# Altium PCB DIOT_8ch_isoSPI1.PcbDoc (part 4 of 5)
Units mm, origin at the board's own origin, x right, y up, seen from the top; angles counter-clockwise.
Board outline 222.37 x 100 mm, 4 copper layers (L1, P2, P3, L4), stack 1.512 mm thick; 416 components, 332 nets, 1541 pads, 695 vias.
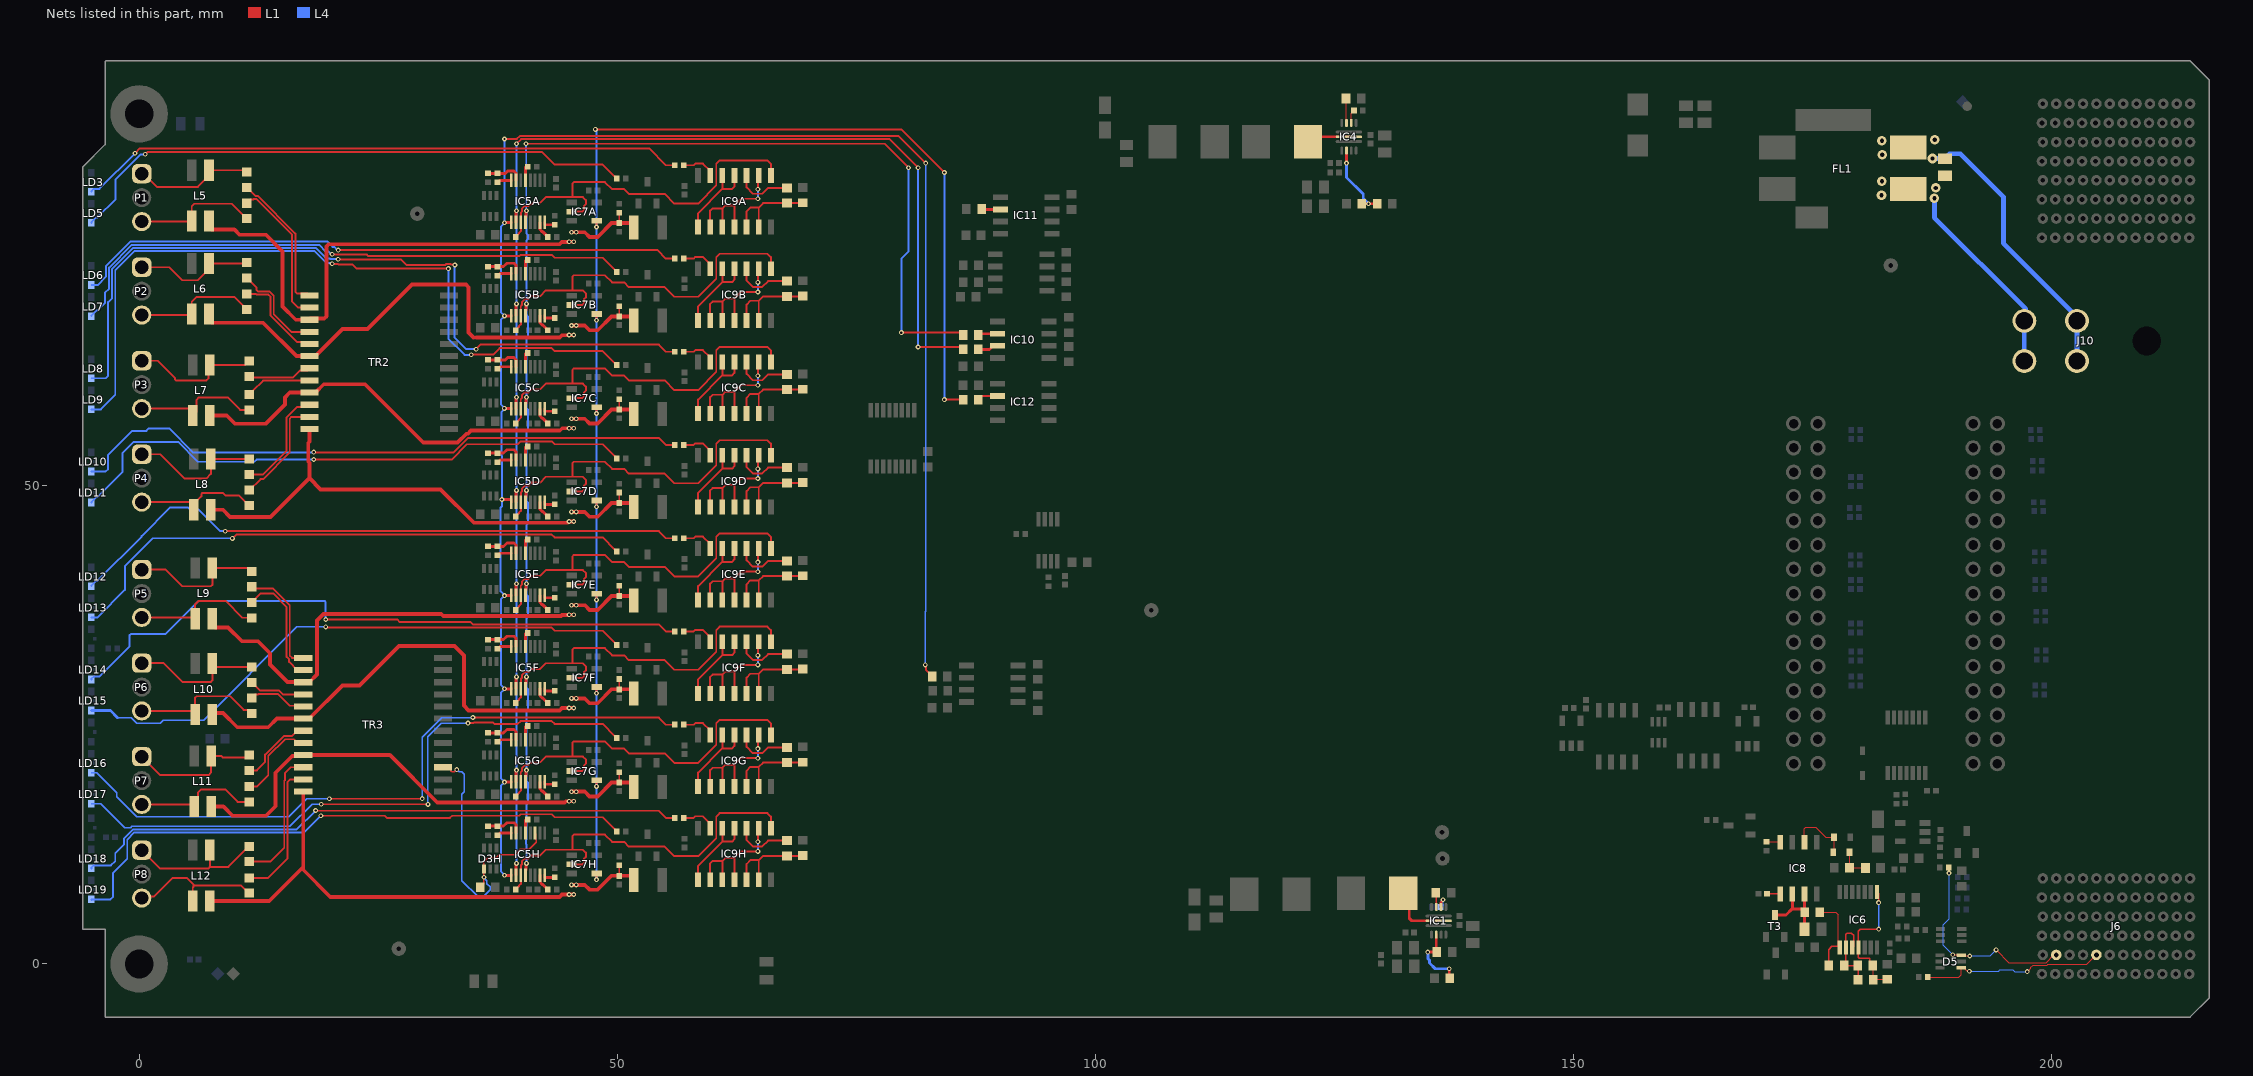
[diagram p6: the nets of this part, all layers, seen from the top]

## Via types
v1: diameter 0.5, hole 0.25, L1 to L4, tented both sides, 669 vias
v2: diameter 1, hole 0.45, L1 to L4, tented both sides, 26 vias

## Nets (pads, with @x,y where several pads share a name; then routed paths per layer and width w, separated by ;. In a path a pad name is that pad's centre, name@x,y a point inside that pad or via, vN(x,y) a via of type N, cw(c..) or ccw(c..) an arc to the next point about the centre after c; other vN are vias at no path point) (continued)
ISOH_P: D3H.1 IC5H.11 R13H.1 TR3.3 | length 29.7
  L1 w0.14: TR3.3@31.754,20.575 32.347,20.575 32.597,20.325 32.597,20.172 32.679,20.09 32.942,20.09 33.179,20.328 v1(33.204,20.328) ; R13H.1@35.654,8.02 36.034,8.4 36.034,9.036 v1(36.061,9.063) 36.058,9.067 36.058,9.916 D3H.1@36.054,9.92 36.054,10.653 36.519,11.118 37.344,11.118 37.662,11.436 39.307,11.436 39.855,11.984 40.775,11.984 41.506,12.715 41.506,12.985 41.486,13.005 41.486,13.617 IC5H.11@41.406,13.697
  L4 w0.14: v1(33.204,20.328) 33.229,20.328 33.466,20.09 33.741,20.09 33.999,19.832 33.999,18.015 33.754,17.77 33.754,8.72 35.454,7.02 35.963,7.02 36.692,7.748 36.692,8.064 36.353,8.403 36.353,8.705 36.061,8.997 v1(36.061,9.063)
LEDG0: LD3.2 R22A.2 | length 63.6
  L1 w0.2: v1(-0.432,84.785) 0.076,85.293 53.316,85.293 55.089,83.52 R22A.2@55.984,83.52
  L4 w0.2: LD3.2@-5,80.75 -5,80.8 -4.75,81.05 -4.167,81.05 v1(-0.432,84.785)
LEDG1: LD6.2 R22B.2 | length 64.2
  L1 w0.2: v1(20.81,74.651) 54.208,74.651 55.089,73.77 R22B.2@55.984,73.77
  L4 w0.2: LD6.2@-5,71 -4.35,71 -3.481,71.869 -3.481,72.963 -0.914,75.53 19.695,75.53 20.232,74.992 20.387,74.992 20.729,74.651 v1(20.81,74.651)
LEDG2: LD8.2 R22C.2 | length 82.4
  L1 w0.2: v1(20.797,73.685) 27.374,73.685 27.983,73.076 32.015,73.076 32.137,73.197 32.532,73.197 32.584,73.145 32.959,73.145 v1(33.017,73.088) ; v1(35.23,64.287) 35.23,64.333 35.666,64.77 54.339,64.77 55.089,64.02 R22C.2@55.984,64.02
  L4 w0.2: LD8.2@-5,61.25 -3.5,61.25 -3.25,61.5 -3.25,69.216 -2.827,69.639 -2.827,72.692 -0.643,74.876 18.48,74.876 19.589,73.767 19.945,73.767 20.005,73.707 20.776,73.707 v1(20.797,73.685) ; v1(33.017,73.088) 32.995,73.066 32.995,65.481 34.188,64.287 v1(35.23,64.287)
LEDG3: LD10.2 R22D.2 | length 65.7
  L1 w0.2: v1(18.25,53.525) 18.275,53.5 32.884,53.5 34.404,55.02 34.898,55.02 54.339,55.02 55.089,54.27 R22D.2@55.984,54.27
  L4 w0.2: LD10.2@-5,51.5 -3.5,51.5 -3.25,51.75 -3.25,53.25 -0.75,55.75 0.75,55.75 1,56 3.126,56 5.626,53.5 18.225,53.5 v1(18.25,53.525)
LEDG4: LD12.2 R22E.2 | length 65.8
  L1 w0.2: v1(9,45.25) 9.02,45.27 54.339,45.27 55.089,44.52 R22E.2@55.984,44.52
  L4 w0.2: LD12.2@-5,39.5 -5,39.55 -4.485,40.065 -4.364,40.065 0.25,44.679 0.25,44.75 3.25,47.75 5.099,47.75 5.329,47.52 6.21,47.52 8.45,45.28 8.97,45.28 v1(9,45.25)
LEDG5: LD14.2 R22F.2 | length 67.5
  L1 w0.2: v1(19.5,36.025) 26.987,36.025 27.262,35.75 34.668,35.75 34.898,35.52 54.339,35.52 55.089,34.77 R22F.2@55.984,34.77
  L4 w0.2: LD14.2@-5,29.75 -5,29.8 -4.75,30.05 -4.2,30.05 -1,33.25 -1,34.383 -0.883,34.5 2.75,34.5 6.217,37.967 19.383,37.967 19.5,37.85 v1(19.5,36.025)
LEDG6: LD16.2 R22G.2 | length 71.5
  L1 w0.15: v1(19.888,17.272) 19.901,17.285 29.578,17.285 v1(29.591,17.297)
  L1 w0.2: v1(34.898,25.77) 54.339,25.77 55.089,25.02 R22G.2@55.984,25.02
  L4 w0.15: LD16.2@-5,20 -4.425,20 -2.343,17.918 -2.343,17.484 -0.261,15.402 15.656,15.402 17.526,17.272 v1(19.888,17.272) ; v1(29.591,17.297) 29.591,23.698 31.663,25.77 32.73,25.77 v1(34.898,25.77)
LEDG7: LD18.2 R22H.2 | length 64.7
  L1 w0.2: v1(18.452,16.048) 18.48,16.02 54.339,16.02 55.089,15.27 R22H.2@55.984,15.27
  L4 w0.2: LD18.2@-5,10 -5,10.05 -4.75,10.3 -2.95,10.3 -2.5,10.75 -2.5,11.574 -1.577,12.497 -1.577,13.135 -0.635,14.077 16.481,14.077 v1(18.452,16.048)
LEDR0: LD5.2 R21A.1 | length 60.4
  L1 w0.2: v1(0.635,84.684) 0.674,84.684 0.902,84.912 42.117,84.912 43.433,83.597 48.474,83.597 49.738,82.333 49.758,82.333 49.948,82.143 R21A.1@49.948,82.123
  L4 w0.2: LD5.2@-5,77.5 -5,77.55 -4.485,78.065 -4.364,78.065 -2.464,79.965 -2.464,82.037 0.125,84.626 0.578,84.626 v1(0.635,84.684)
LEDR1: LD7.2 R21B.1 | length 61.3
  L1 w0.2: v1(20.17,74.213) 20.21,74.174 23.812,74.174 23.973,74.012 39.738,74.012 39.88,74.155 43.124,74.155 43.433,73.847 48.474,73.847 49.738,72.583 49.758,72.583 49.948,72.393 R21B.1@49.948,72.373
  L4 w0.2: LD7.2@-5,67.75 -5,67.8 -4.485,68.315 -4.364,68.315 -3.577,69.102 -3.577,70.211 -3.154,70.634 -3.154,72.828 -0.779,75.203 18.828,75.203 19.534,74.497 19.806,74.497 20.089,74.213 v1(20.17,74.213)
LEDR2: LD9.2 R21C.1 | length 79.3
  L1 w0.2: v1(20.17,73.23) 20.192,73.208 20.763,73.208 20.82,73.151 22.307,73.151 22.738,72.72 v1(32.334,72.72) ; v1(34.723,63.701) 34.751,63.729 37.016,63.729 37.692,64.405 43.124,64.405 43.433,64.097 48.474,64.097 49.738,62.833 49.758,62.833 49.948,62.643 R21C.1@49.948,62.623
  L4 w0.2: LD9.2@-5,58 -4,58 -2.5,59.5 -2.5,72.557 -0.508,74.549 18.345,74.549 19.454,73.44 19.517,73.44 19.669,73.288 20.113,73.288 v1(20.17,73.23) ; v1(32.334,72.72) 32.334,65.4 34.033,63.701 v1(34.723,63.701)
LEDR3: LD11.2 R21D.1 | length 65.9
  L1 w0.2: v1(18.25,52.75) 32.684,52.75 34.281,54.347 34.898,54.347 ; R21D.1@49.948,52.873 49.948,52.893 49.758,53.083 49.738,53.083 48.474,54.347 43.433,54.347 43.124,54.655 39.88,54.655 39.572,54.347 ; 34.898,54.347 39.572,54.347 ; 34.898,54.347 39.572,54.347
  L4 w0.2: LD11.2@-5,48.25 -5,48.3 -4.485,48.815 -4.364,48.815 -1.75,51.429 -1.75,53.414 -0.564,54.6 4.063,54.6 6.143,52.52 12.041,52.52 12.271,52.75 v1(18.25,52.75)
LEDR4: LD13.2 R21E.1 | length 60.8
  L1 w0.2: v1(9.75,44.5) 10.155,44.905 43.124,44.905 43.433,44.597 48.474,44.597 49.738,43.333 49.758,43.333 49.948,43.143 R21E.1@49.948,43.123
  L4 w0.2: LD13.2@-5,36.25 -4.35,36.25 -1.493,39.107 -1.493,41.606 1.421,44.52 9.73,44.52 v1(9.75,44.5)
LEDR5: LD15.2 R21F.1 | length 60.5
  L1 w0.2: v1(19.5,35.25) 19.557,35.193 43.086,35.193 43.433,34.847 48.474,34.847 49.738,33.583 49.758,33.583 49.948,33.393 R21F.1@49.948,33.373
  L4 w0.15: -2.25,25.75 -0.83,25.75 -0.261,25.181 2.181,25.181 2.5,25.5 6.75,25.5 16.5,35.25 v1(19.5,35.25)
  L4 w0.3: LD15.2@-5,26.5 -3,26.5 -2.25,25.75
LEDR6: LD17.2 R21G.1 | length 65.7
  L1 w0.15: v1(19.05,16.713) 30.175,16.713 v1(30.201,16.688)
  L1 w0.2: v1(34.383,25.191) 34.954,25.191 35.033,25.27 36.967,25.27 37.14,25.097 39.572,25.097 39.88,25.405 43.124,25.405 43.433,25.097 48.474,25.097 49.738,23.833 49.758,23.833 49.948,23.643 R21G.1@49.948,23.623
  L4 w0.15: LD17.2@-5,16.75 -4,16.75 -1.5,14.25 -0.89,14.25 -0.761,14.379 15.751,14.379 18.085,16.713 v1(19.05,16.713) ; v1(30.201,16.688) 30.201,23.784 31.607,25.191 v1(34.383,25.191)
LEDR7: LD19.2 R21H.1 | length 62.3
  L1 w0.2: v1(19,15.5) 25.671,15.5 25.901,15.27 32.491,15.27 32.721,15.5 39.725,15.5 39.88,15.655 43.124,15.655 43.433,15.347 48.474,15.347 49.738,14.083 49.758,14.083 49.948,13.893 R21H.1@49.948,13.873
  L4 w0.2: LD19.2@-5,6.7 LD19.2@-5,6.75 -3,6.75 -2.75,7 -2.75,9.5 -1.25,11 -1.25,13 -0.5,13.75 17.25,13.75 v1(19,15.5)
NetC2_2: C2.2 IC4.9 | length 1.4
  L1 w0.125: IC4.9@126.75,87.95 126.75,88.95 C2.2@127.05,89.25
NetC8_2: C8.2 IC8.6 IC8.7 R35.2 T3.3 | length 8.7
  L1 w0.3: T3.3@171.069,5.112 172.219,5.112 172.872,5.766 ; IC8.6@172.872,7.333 172.872,5.766 ; C8.2@174.131,3.632 174.131,5.386 R35.2@174.155,5.41 174.155,5.46 R35.2@174.142,5.473 ; IC8.7@174.142,7.333 R35.2@174.142,5.473 ; 172.872,5.766 173.8,5.766 173.805,5.76 173.855,5.76 R35.2@174.142,5.473
NetC11_2: C11.2 IC8.5 | length 1.4
  L1 w0.14: C11.2@170.216,7.341 171.595,7.341 IC8.5@171.602,7.333
NetC12_2: C12.2 D2.1 R39.2 | length 3.3
  L1 w0.125: R39.2@178.853,10.059 D2.1@178.853,11.684 ; R39.2@178.854,10.058 180.48,10.058 C12.2@180.505,10.033
NetC18A_1: C18A.1 IC9A.10 | length 6
  L1 w0.2: IC9A.10@63.52,82.45 63.52,81.204 64.181,80.543 65.144,80.543 65.758,81.157 C18A.1@67.741,81.157
NetC18A_2: C18A.2 IC9A.5 IC9A.6 R23A.1 | length 9.9
  L1 w0.2: IC9A.5@63.52,77.05 63.52,78.704 63.919,79.103 64.787,79.103 ; IC9A.6@64.79,77.05 64.79,78.412 64.787,78.415 64.787,79.103 ; R23A.1@69.392,79.595 69.354,79.557 C18A.2@67.741,79.557 65.241,79.557 64.787,79.103
NetC18B_1: C18B.1 IC9B.10 | length 6
  L1 w0.2: IC9B.10@63.52,72.7 63.52,71.454 64.181,70.793 65.144,70.793 65.758,71.407 C18B.1@67.741,71.407
NetC18B_2: C18B.2 IC9B.5 IC9B.6 R23B.1 | length 9.9
  L1 w0.2: IC9B.5@63.52,67.3 63.52,68.954 63.919,69.353 64.787,69.353 ; IC9B.6@64.79,67.3 64.79,68.662 64.787,68.665 64.787,69.353 ; R23B.1@69.392,69.845 69.354,69.807 C18B.2@67.741,69.807 65.241,69.807 64.787,69.353
NetC18C_1: C18C.1 IC9C.10 | length 6
  L1 w0.2: IC9C.10@63.52,62.95 63.52,61.704 64.181,61.043 65.144,61.043 65.758,61.657 C18C.1@67.741,61.657
NetC18C_2: C18C.2 IC9C.5 IC9C.6 R23C.1 | length 9.9
  L1 w0.2: IC9C.5@63.52,57.55 63.52,59.204 63.919,59.603 64.787,59.603 ; IC9C.6@64.79,57.55 64.79,58.912 64.787,58.916 64.787,59.603 ; R23C.1@69.392,60.095 69.354,60.057 C18C.2@67.741,60.057 65.241,60.057 64.787,59.603
NetC18D_1: C18D.1 IC9D.10 | length 6
  L1 w0.2: IC9D.10@63.52,53.2 63.52,51.954 64.181,51.293 65.144,51.293 65.758,51.907 C18D.1@67.741,51.907
NetC18D_2: C18D.2 IC9D.5 IC9D.6 R23D.1 | length 9.9
  L1 w0.2: IC9D.5@63.52,47.8 63.52,49.454 63.919,49.853 64.787,49.853 ; IC9D.6@64.79,47.8 64.79,49.162 64.787,49.165 64.787,49.853 ; R23D.1@69.392,50.345 69.354,50.307 C18D.2@67.741,50.307 65.241,50.307 64.787,49.853
NetC18E_1: C18E.1 IC9E.10 | length 6
  L1 w0.2: IC9E.10@63.52,43.45 63.52,42.204 64.181,41.543 65.144,41.543 65.758,42.157 C18E.1@67.741,42.157
NetC18E_2: C18E.2 IC9E.5 IC9E.6 R23E.1 | length 9.9
  L1 w0.2: IC9E.5@63.52,38.05 63.52,39.704 63.919,40.103 64.787,40.103 ; IC9E.6@64.79,38.05 64.79,39.412 64.787,39.415 64.787,40.103 ; R23E.1@69.392,40.595 69.354,40.557 C18E.2@67.741,40.557 65.241,40.557 64.787,40.103
NetC18F_1: C18F.1 IC9F.10 | length 6
  L1 w0.2: IC9F.10@63.52,33.7 63.52,32.454 64.181,31.793 65.144,31.793 65.758,32.407 C18F.1@67.741,32.407
NetC18F_2: C18F.2 IC9F.5 IC9F.6 R23F.1 | length 9.9
  L1 w0.2: IC9F.5@63.52,28.3 63.52,29.954 63.919,30.353 64.787,30.353 ; IC9F.6@64.79,28.3 64.79,29.662 64.787,29.666 64.787,30.353 ; R23F.1@69.392,30.845 69.354,30.807 C18F.2@67.741,30.807 65.241,30.807 64.787,30.353
NetC18G_1: C18G.1 IC9G.10 | length 6
  L1 w0.2: IC9G.10@63.52,23.95 63.52,22.704 64.181,22.043 65.144,22.043 65.758,22.657 C18G.1@67.741,22.657
NetC18G_2: C18G.2 IC9G.5 IC9G.6 R23G.1 | length 9.9
  L1 w0.2: IC9G.5@63.52,18.55 63.52,20.204 63.919,20.603 64.787,20.603 ; IC9G.6@64.79,18.55 64.79,19.912 64.787,19.915 64.787,20.603 ; R23G.1@69.392,21.095 69.354,21.057 C18G.2@67.741,21.057 65.241,21.057 64.787,20.603
NetC18H_1: C18H.1 IC9H.10 | length 6
  L1 w0.2: IC9H.10@63.52,14.2 63.52,12.954 64.181,12.293 65.144,12.293 65.758,12.907 C18H.1@67.741,12.907
NetC18H_2: C18H.2 IC9H.5 IC9H.6 R23H.1 | length 9.9
  L1 w0.2: IC9H.5@63.52,8.8 63.52,10.454 63.919,10.853 64.787,10.853 ; IC9H.6@64.79,8.8 64.79,10.162 64.787,10.165 64.787,10.853 ; R23H.1@69.392,11.345 69.354,11.307 C18H.2@67.741,11.307 65.241,11.307 64.787,10.853
NetC25A_2: C25A.2 F1A.1 L5.1 R20A.2 TR2.15 | length 62.5
  L1 w0.2: C25A.2@50.204,77.47 R20A.2@50.204,78.55 ; F1A.1@51.704,77.02 F1A.1@51.704,77.07
  L1 w0.4: L5.1@7.3,77.7 7.3,77.1 7.6,76.8 9.95,76.8 10.5,76.25 13.25,76.25 15,74.5 15,68.75 16.38,67.37 TR2.15@17.804,67.37 17.924,67.49 19.359,67.49 19.593,67.724 19.593,75.036 19.828,75.27 43.986,75.27 44.217,75.501 44.935,75.501 v1(44.954,75.52) v1(45.454,75.52) ; v1(45.204,76.52) v1(45.704,76.52) ; v1(45.704,76.52) 46.593,76.52 47.093,76.02 47.954,76.02 49.404,77.47 C25A.2@50.204,77.47 51.404,77.47 51.704,77.17 F1A.1@51.704,77.02
NetC25B_2: C25B.2 F1B.1 L6.1 R20B.2 TR2.18 | length 57
  L1 w0.2: C25B.2@50.204,67.72 R20B.2@50.204,68.8 ; F1B.1@51.704,67.27 F1B.1@51.704,67.32
  L1 w0.4: L6.1@7.3,67.95 7.3,67.35 7.6,67.05 12.95,67.05 16.44,63.56 TR2.18@17.804,63.56 18.434,63.56 21.27,66.396 23.881,66.396 28.523,71.037 34.187,71.037 34.454,70.77 34.454,66.02 34.954,65.52 ; 35.242,65.52 43.986,65.52 44.217,65.751 v1@45.454,65.751 ; v1(45.204,66.77) v1(45.704,66.77) ; v1(45.704,66.77) 46.593,66.77 47.093,66.27 47.954,66.27 49.404,67.72 C25B.2@50.204,67.72 51.404,67.72 51.704,67.42 F1B.1@51.704,67.32
  other v1: 44.954,65.77 45.454,65.77
NetC25C_2: C25C.2 F1C.1 L7.1 R20C.2 TR2.21 | length 52.4
  L1 w0.2: C25C.2@50.204,57.97 R20C.2@50.204,59.05 ; F1C.1@51.704,57.52 F1C.1@51.704,57.57
  L1 w0.4: L7.1@7.4,57.35 9.15,57.35 10,56.5 13.25,56.5 15.25,58.5 15.25,59.25 15.75,59.75 TR2.21@17.804,59.75 18.434,59.75 19.308,60.624 23.6,60.624 29.704,54.52 33.3,54.52 34.227,55.447 34.381,55.447 34.704,55.77 43.986,55.77 44.236,56.02 v1(44.954,56.02) v1(45.454,56.02) ; v1(45.204,57.02) v1@45.704,57.02 ; v1(45.704,57.02) 46.593,57.02 47.093,56.52 47.954,56.52 49.404,57.97 C25C.2@50.204,57.97 51.404,57.97 51.704,57.67 F1C.1@51.704,57.57
NetC25D_2: C25D.2 F1D.1 L8.1 R20D.2 TR2.24 | length 55.8
  L1 w0.2: C25D.2@50.204,48.22 R20D.2@50.204,49.3 ; F1D.1@51.704,47.77 F1D.1@51.704,47.82
  L1 w0.4: L8.1@7.5,47.5 8.75,47.5 9.5,46.75 13.75,46.75 17.804,50.804 ; TR2.24@17.804,55.94 17.804,54.606 17.673,54.475 17.673,52.511 17.804,52.38 17.804,50.804 ; v1@44.935,46.251 44.908,46.251 44.79,46.133 35.025,46.133 31.527,49.631 18.977,49.631 17.804,50.804 ; v1(44.954,46.27) v1(45.454,46.27) ; v1(45.204,47.27) v1(45.704,47.27) ; v1(45.704,47.27) 46.593,47.27 47.093,46.77 47.954,46.77 49.404,48.22 C25D.2@50.204,48.22 51.404,48.22 51.704,47.92 F1D.1@51.704,47.82
NetC25E_2: C25E.2 F1E.1 L9.1 R20E.2 TR3.15 | length 56.7
  L1 w0.2: C25E.2@50.204,38.47 R20E.2@50.204,39.55 ; F1E.1@51.704,38.02 F1E.1@51.704,38.07
  L1 w0.4: L9.1@7.65,36.1 7.65,35.5 7.95,35.2 9.3,35.2 10.75,33.75 12.427,33.75 13.691,32.487 13.691,31.309 15.5,29.5 17.119,29.5 TR3.15@17.154,29.465 17.784,29.465 18.583,30.264 18.583,35.924 19.261,36.602 31.571,36.602 31.79,36.383 44.099,36.383 44.217,36.501 v1@44.935,36.501 ; v1(44.954,36.52) v1(45.454,36.52) ; v1(45.204,37.52) v1(45.704,37.52) ; v1(45.704,37.52) 46.593,37.52 47.093,37.02 47.954,37.02 49.404,38.47 C25E.2@50.204,38.47 51.404,38.47 51.704,38.17 F1E.1@51.704,38.02
NetC25F_2: C25F.2 F1F.1 L10.1 R20F.2 TR3.18 | length 56.6
  L1 w0.2: C25F.2@50.204,28.72 R20F.2@50.204,29.8 ; F1F.1@51.704,28.27 F1F.1@51.704,28.32
  L1 w0.4: L10.1@7.65,26.1 7.65,26.15 7.75,26.25 8.75,26.25 10.25,24.75 13.5,24.75 14.405,25.655 TR3.18@17.154,25.655 17.784,25.655 21.245,29.116 23.05,29.116 27.17,33.236 32.988,33.236 33.954,32.27 33.954,27.02 34.454,26.52 43.986,26.52 44.217,26.751 v1@44.935,26.751 ; v1(44.954,26.77) v1(45.454,26.77) ; v1(45.204,27.77) v1(45.704,27.77) ; v1(45.704,27.77) 46.593,27.77 47.093,27.27 47.954,27.27 49.404,28.72 C25F.2@50.204,28.72 51.404,28.72 51.704,28.42 F1F.1@51.704,28.32
NetC25G_2: C25G.2 F1G.1 L11.1 R20G.2 TR3.21 | length 54.3
  L1 w0.2: C25G.2@50.204,18.97 R20G.2@50.204,20.05 ; F1G.1@51.704,18.52 F1G.1@51.704,18.57
  L1 w0.4: L11.1@7.55,16.45 8.8,16.45 9.75,15.5 13.25,15.5 14.249,16.499 14.249,19.999 16,21.75 17.059,21.75 TR3.21@17.154,21.845 26.212,21.845 31.174,16.883 44.475,16.883 44.604,17.012 45.446,17.012 v1(45.454,17.02) v1(44.954,17.02) ; v1(45.204,18.02) v1(45.704,18.02) ; v1(45.704,18.02) 46.593,18.02 47.093,17.52 47.954,17.52 49.404,18.97 C25G.2@50.204,18.97 51.404,18.97 51.704,18.67 F1G.1@51.704,18.52
NetC25H_2: C25H.2 F1H.1 L12.1 R20H.2 TR3.24 | length 57.6
  L1 w0.2: C25H.2@50.204,9.22 R20H.2@50.204,10.3 ; F1H.1@51.704,8.77 F1H.1@51.704,8.82
  L1 w0.4: L12.1@7.4,6.6 9.917,6.6 9.919,6.598 13.598,6.598 17.154,10.154 ; TR3.24@17.154,18.035 17.154,10.154 ; v1(45.204,8.27) v1(45.704,8.27) ; v1@45.454,7.251 44.217,7.251 43.986,7.02 19.98,7.02 17.154,9.846 17.154,10.154 ; v1(45.704,8.27) 46.593,8.27 47.093,7.77 47.954,7.77 49.404,9.22 C25H.2@50.204,9.22 51.404,9.22 51.704,8.92 F1H.1@51.704,8.82
  other v1: 44.954,7.27 45.454,7.27
NetC28_1: C28.1 L5.2 P1.1 | length 12.7
  L1 w0.2: P1.1@0.267,82.637 0.47,82.637 1.857,81.25 6.15,81.25 7.3,82.4 L5.2@7.3,83 11.05,83 C28.1@11.25,82.8
NetC28_2: C28.2 TR2.13 | length 14.8
  L1 w0.2: C28.2@11.25,81.2 11.275,81.2 12.148,80.327 12.385,80.327 16.327,76.385 16.327,70.29 16.487,70.13 17.584,70.13 TR2.13@17.804,69.91
NetC29_1: C29.1 L5.4 P1.3 | length 13.3
  L1 w0.2: P1.3@0.267,77.637 5.437,77.637 L5.4@5.5,77.7 5.5,79.25 5.75,79.5 9.675,79.5 11.225,77.95 C29.1@11.25,77.95
NetC29_2: C29.2 TR2.14 | length 15.5
  L1 w0.2: C29.2@11.25,79.55 11.625,79.925 11.925,79.925 12,80 12.25,80 16,76.25 16,69.25 16.61,68.64 TR2.14@17.804,68.64
NetC30_1: C30.1 L6.2 P2.1 | length 12.7
  L1 w0.2: P2.1@0.267,72.858 3.148,72.858 4.506,71.5 6.15,71.5 7.3,72.65 L6.2@7.3,73.25 11.15,73.25 C30.1@11.25,73.35
NetC30_2: C30.2 TR2.16 | length 10.2
  L1 w0.2: C30.2@11.25,71.75 11.275,71.75 11.65,71.375 11.65,71.35 12.25,70.75 12.25,70.5 12.432,70.318 13.645,70.318 14.077,69.885 14.077,67.923 15.9,66.1 TR2.16@17.804,66.1
NetC31_1: C31.1 L6.4 P2.3 | length 13.1
  L1 w0.2: P2.3@0.267,67.858 5.408,67.858 L6.4@5.5,67.95 5.5,69.25 6,69.75 9.925,69.75 11.225,68.45 C31.1@11.25,68.45
NetC31_2: C31.2 TR2.17 | length 9.9
  L1 w0.2: C31.2@11.25,70.05 12.238,70.05 12.297,69.991 13.509,69.991 13.75,69.75 13.75,67.788 16.488,65.05 17.584,65.05 TR2.17@17.804,64.83
NetC32_1: C32.1 L7.2 P3.1 | length 13.7
  L1 w0.2: P3.1@0.267,63.079 1.921,63.079 3.75,61.25 3.75,61.117 3.844,61.023 7.023,61.023 7.25,61.25 7.25,62.5 L7.2@7.4,62.65 11.075,62.65 11.475,63.05 C32.1@11.5,63.05
NetC32_2: C32.2 TR2.19 | length 6.8
  L1 w0.2: C32.2@11.5,61.45 11.623,61.327 16.077,61.327 16.82,62.07 17.584,62.07 TR2.19@17.804,62.29
NetC33_1: C33.1 L7.4 P3.3 | length 13.8
  L1 w0.2: P3.3@0.267,58.079 5.2,58.079 5.6,57.679 L7.4@5.6,57.35 6,57.75 6,59 6.25,59.25 9.25,59.25 10.55,57.95 C33.1@11.5,57.95
NetC33_2: C33.2 TR2.20 | length 6.9
  L1 w0.2: C33.2@11.5,59.55 11.525,59.55 11.9,59.925 11.9,59.95 12.95,61 17.784,61 TR2.20@17.804,61.02
NetC34_1: C34.1 L8.2 P4.1 | length 14
  L1 w0.2: P4.1@0.267,53.3 2.2,53.3 4.75,50.75 7,50.75 7.5,51.25 L8.2@7.5,52.8 C34.1@11.5,52.8
NetC34_2: C34.2 TR2.22 | length 11.4
  L1 w0.2: C34.2@11.5,51.2 12.95,51.2 15.423,53.673 15.423,57.173 15.787,57.537 16.51,58.26 17.584,58.26 TR2.22@17.804,58.48
NetC35_1: C35.1 L8.4 P4.3 | length 13.1
  L1 w0.2: P4.3@0.267,48.3 5.3,48.3 L8.4@5.7,47.9 ; L8.4@5.7,47.5 5.7,48.1 6.5,48.9 6.5,49.133 6.617,49.25 8.75,49.25 9,49 10.425,49 11.475,47.95 C35.1@11.5,47.95
NetC35_2: C35.2 TR2.23 | length 11.5
  L1 w0.2: C35.2@11.5,49.55 11.525,49.55 12.688,50.713 12.963,50.713 15.75,53.5 15.75,57.038 15.922,57.21 TR2.23@17.804,57.21
NetC36_1: C36.1 L9.2 P5.1 | length 14.2
  L1 w0.2: P5.1@0.267,41.235 2.765,41.235 4.5,39.5 7.5,39.5 7.65,39.65 L9.2@7.65,41.4 11.4,41.4 C36.1@11.75,41.05
NetC36_2: C36.2 TR3.13 | length 11.6
  L1 w0.2: C36.2@11.75,39.45 11.95,39.25 14,39.25 15.75,37.5 15.75,32.25 15.995,32.005 TR3.13@17.154,32.005
NetC37_1: C37.1 L9.4 P5.3 | length 13.9
  L1 w0.2: P5.3@0.267,36.235 5.715,36.235 L9.4@5.85,36.1 5.85,37.6 6.217,37.967 9.033,37.967 10.8,36.2 C37.1@11.75,36.2
NetC37_2: C37.2 TR3.14 | length 12.3
  L1 w0.2: C37.2@11.75,37.8 11.775,37.8 12.725,38.75 14,38.75 15.423,37.327 15.423,32.115 15.677,31.861 15.677,31.582 16.524,30.735 TR3.14@17.154,30.735
NetC38_1: C38.1 L10.2 P6.1 | length 14.3
  L1 w0.2: P6.1@0.267,31.456 2.544,31.456 4.5,29.5 7.5,29.5 7.65,29.65 L10.2@7.65,31.4 8,31.05 C38.1@11.75,31.05
NetC38_2: C38.2 TR3.16 | length 5.9
  L1 w0.2: C38.2@11.75,29.45 11.775,29.45 12.648,28.577 14.635,28.577 15.017,28.195 TR3.16@17.154,28.195
NetC39_1: C39.1 L10.4 P6.3 | length 14.2
  L1 w0.2: P6.3@0.267,26.456 5.494,26.456 L10.4@5.85,26.1 5.85,27.5 5.833,27.517 5.833,27.833 6,28 9.5,28 10.925,26.575 11.375,26.575 C39.1@11.75,26.2
NetC39_2: C39.2 TR3.17 | length 6.1
  L1 w0.2: C39.2@11.75,27.8 12.125,28.175 12.425,28.175 12.5,28.25 14.5,28.25 15.75,27 17.079,27 TR3.17@17.154,26.925
NetC41_1: C41.1 L11.2 P7.1 | length 14
  L1 w0.2: P7.1@0.267,21.677 2.194,19.75 7.25,19.75 7.5,20 7.5,21.7 L11.2@7.55,21.75 8.575,21.75 8.731,21.594 11.244,21.594 C41.1@11.5,21.85
NetC41_2: C41.2 TR3.19 | length 7.8
  L1 w0.2: C41.2@11.5,20.25 12.3,20.25 13.173,21.123 13.173,21.885 15.115,23.827 15.966,23.827 16.524,24.385 TR3.19@17.154,24.385
NetC42_1: C42.1 L11.4 P7.3 | length 13.2
  L1 w0.2: P7.3@0.267,16.677 5.523,16.677 L11.4@5.75,16.45 6.15,16.85 6.15,17.9 6.5,18.25 9,18.25 10.3,16.95 C42.1@11.5,16.95
NetC42_2: C42.2 TR3.20 | length 9.1
  L1 w0.2: C42.2@11.5,18.55 12.3,18.55 13.5,19.75 13.5,21.75 15.25,23.5 16.187,23.5 16.304,23.383 16.304,23.335 16.524,23.115 TR3.20@17.154,23.115
NetC43_1: C43.1 L12.2 P8.1 | length 14.7
  L1 w0.2: P8.1@0.267,11.898 2.165,10 7.25,10 7.4,10.15 ; L12.2@7.4,11.9 7.4,10.15 ; C43.1@11.5,12.3 11.475,12.3 9.325,10.15 7.4,10.15
NetC43_2: C43.2 TR3.22 | length 14.3
  L1 w0.2: C43.2@11.5,10.7 13.7,10.7 15.173,12.173 15.173,19.135 15.25,19.212 15.25,20 15.825,20.575 TR3.22@17.154,20.575